# Altium PCB Nestling_2.0.PcbDoc (part 1 of 2)
Units mm, origin at the board's own origin, x right, y up, seen from the top; angles counter-clockwise.
Board outline 45 x 75 mm, 2 copper layers (Top Layer, Bottom Layer); 54 components, 122 nets, 425 pads, 211 vias.
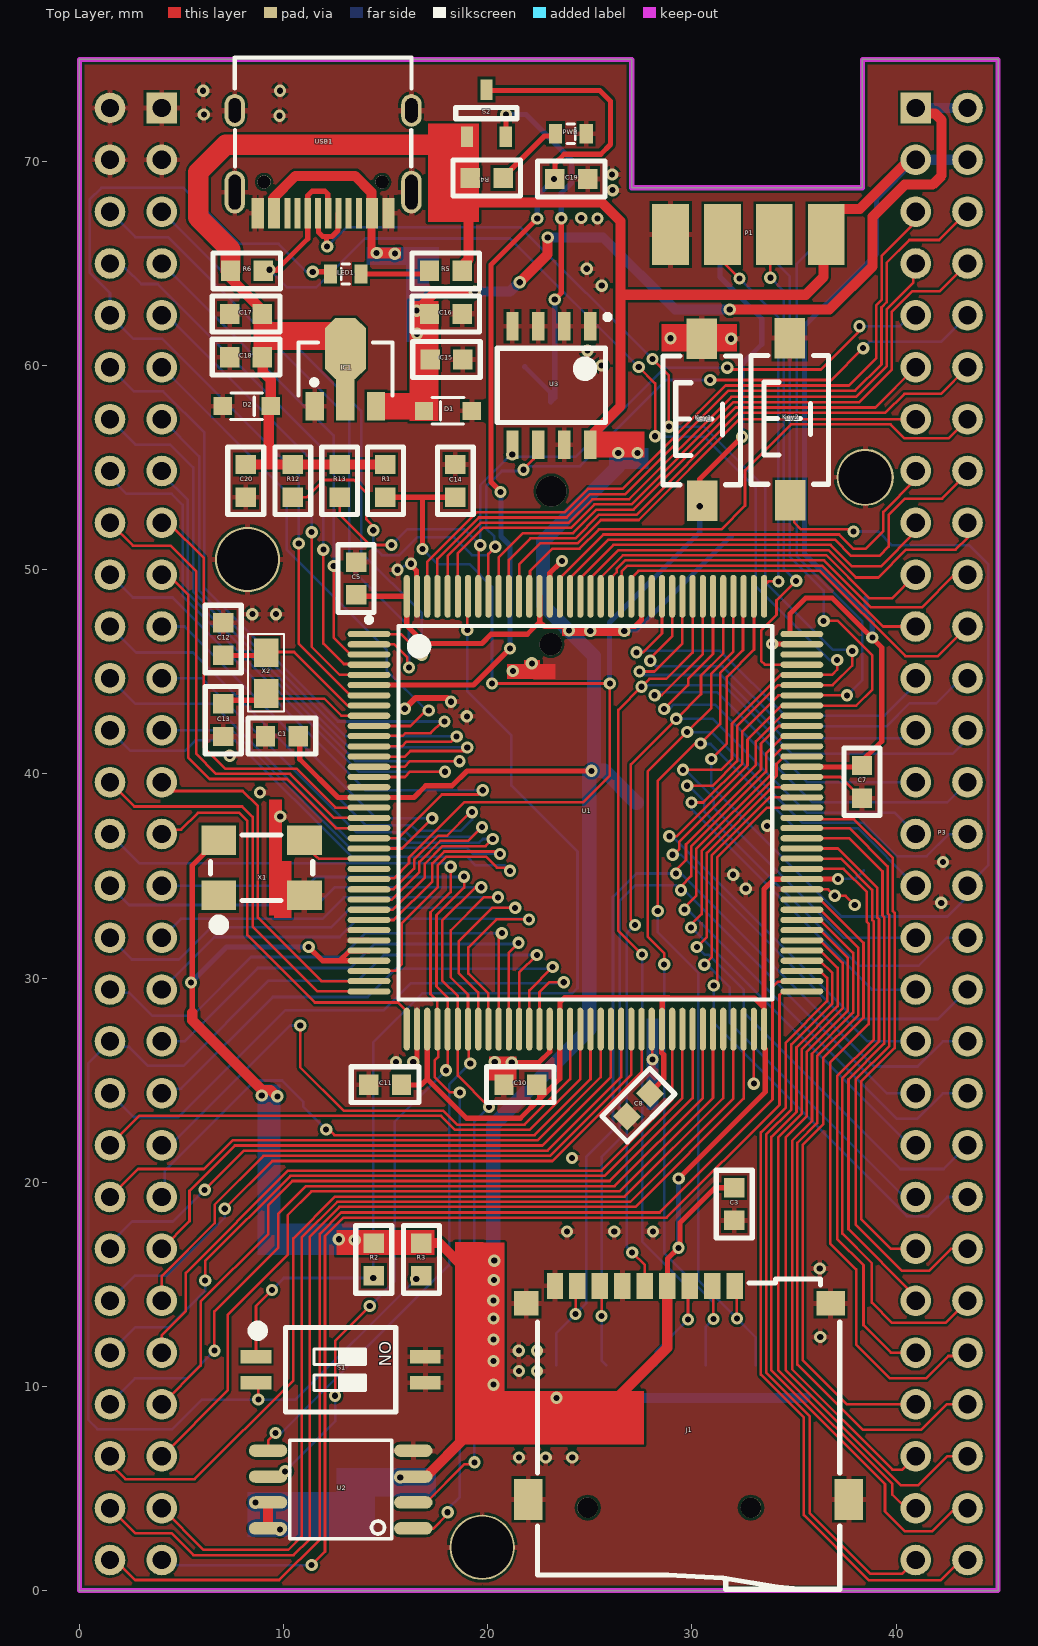
[diagram p0: Top Layer view]
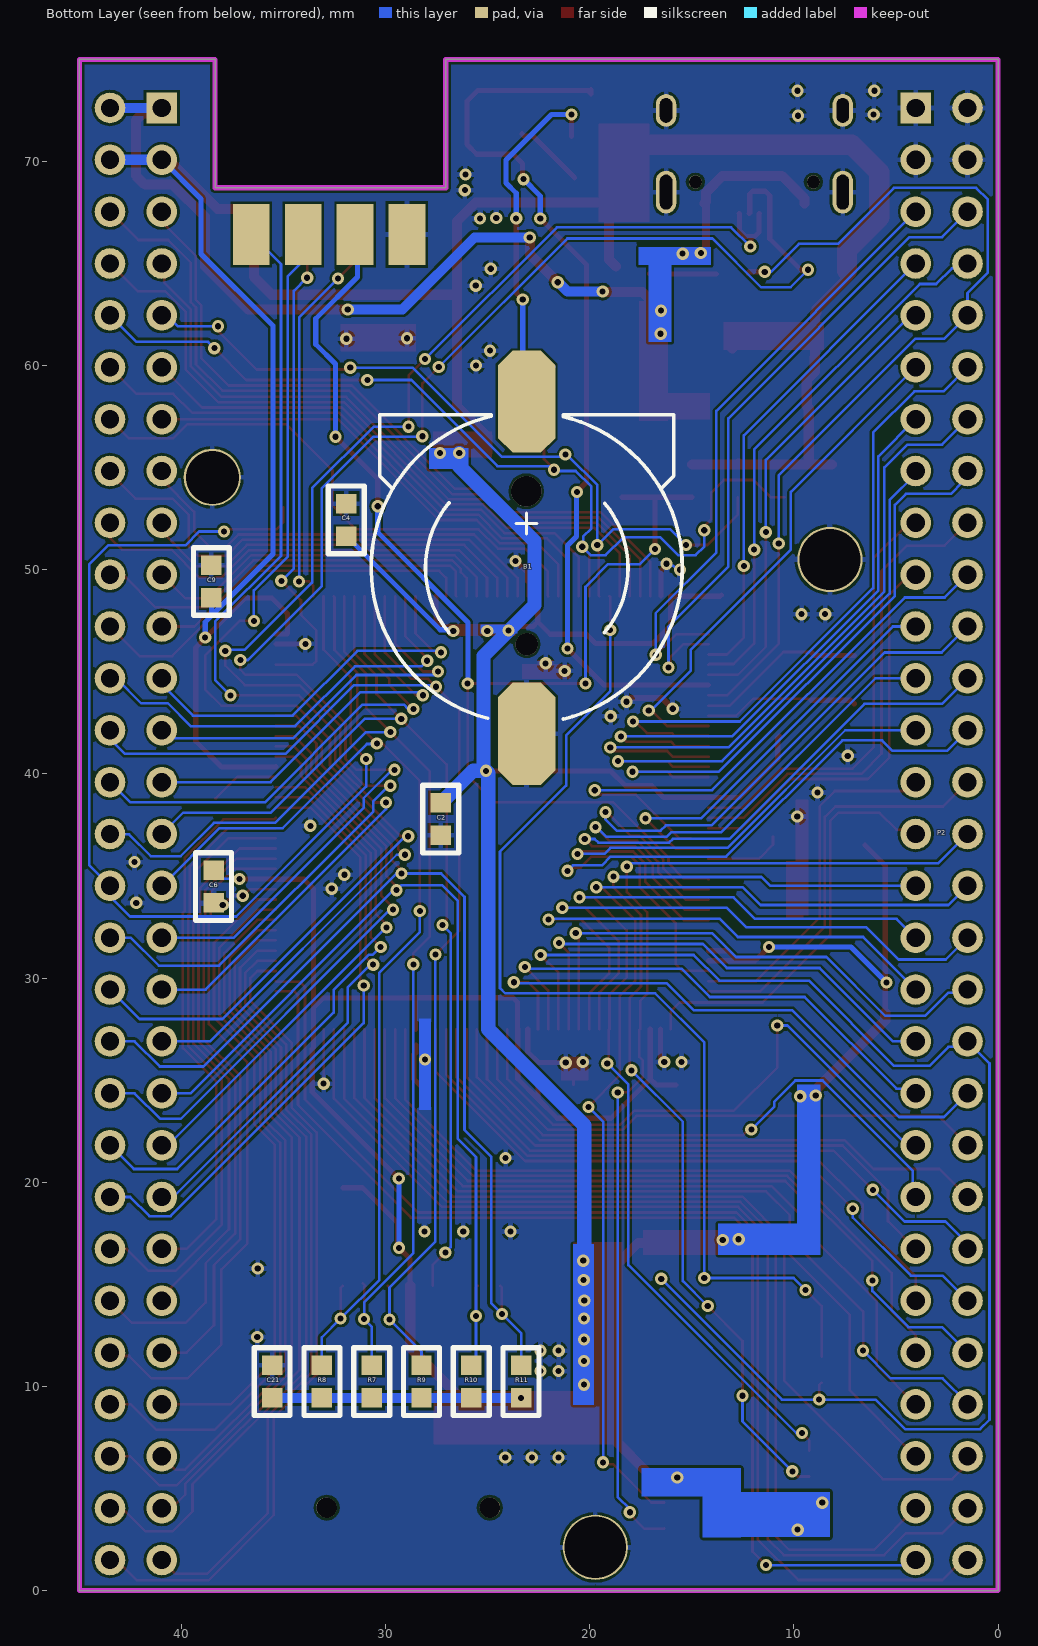
[diagram p1: Bottom Layer view, seen from below]
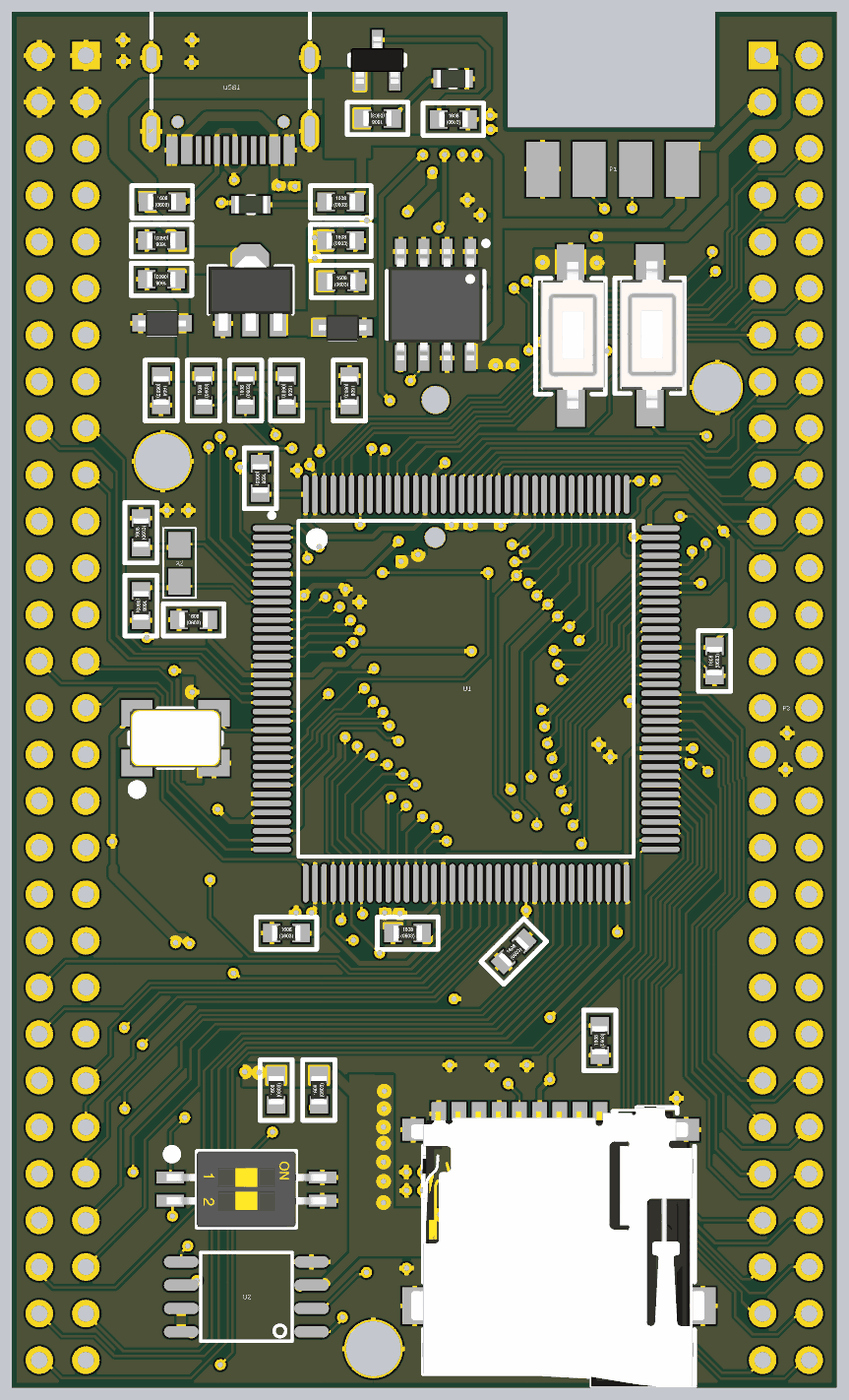
[diagram p3: 3D render of the assembled board from above, using the file's embedded part models]
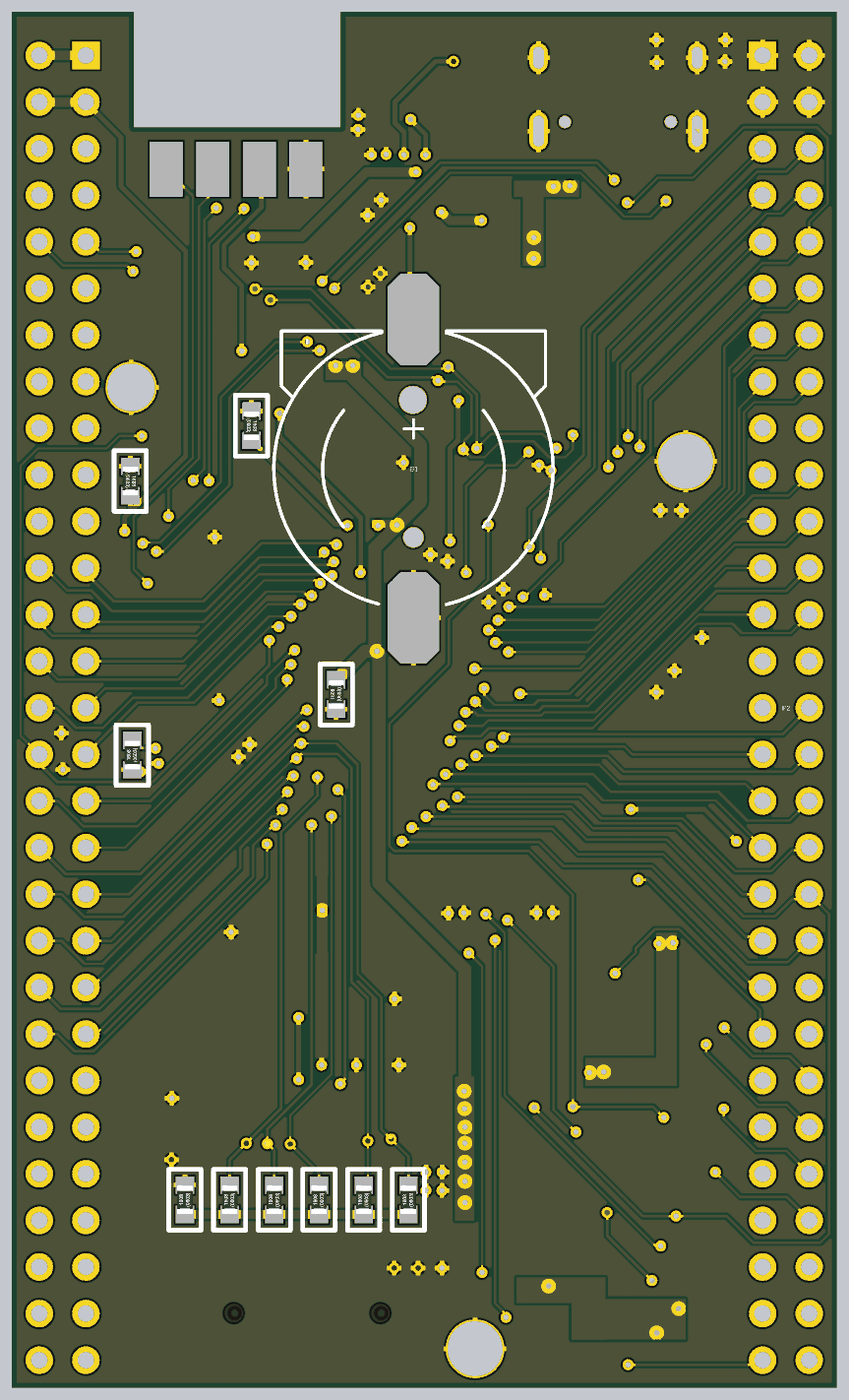
[diagram p4: 3D render of the assembled board from below, using the file's embedded part models]

## Layer stack, top to bottom
Top Solder: solder mask 0.0102, Solder Resist, Dk 3.5
Top Layer: signal copper 0.0356
Dielectric 1: dielectric 0.32, FR-4, Dk 4.8
Bottom Layer: signal copper 0.0356
Bottom Solder: solder mask 0.0102, Solder Resist, Dk 3.5

## Board outline
0,0 0,75 27.051,75 27.051,68.707 38.354,68.707 38.354,75 45,75 45,0

## Design rules (kind name [scope] priority, off if disabled: settings)
Clearance [All] p1: gap=0.127 ignorepadtopadclearanceinfootprint=FALSE
HoleSize [All] p1: absolutevalues=TRUE maxlimit=4 minlimit=0.025 maxpercent=80.000 minpercent=20.000
HoleToHoleClearance [All] p1: gap=0.127 allowstackedmicrovias=TRUE
MinimumSolderMaskSliver [All] p1: minsoldermaskwidth=0.127
PlaneClearance [All] p1: clearance=0.127
PlaneConnect [All] p1: pad.planeconnectstyle=Relief pad.reliefexpansion=0.508 pad.reliefentries=4 pad.reliefconductorwidth=0.254 pad.reliefairgap=0.127 via.planeconnectstyle=Direct via.reliefexpansion=0.508 via.reliefentries=4 via.reliefconductorwidth=0.254 via.reliefairgap=0.127
PolygonConnect [All] p1: connectstyle=Relief reliefconductorwidth=0.254 reliefentries=4 polygonreliefangle="90 Angle" airgapwidth=0.127
RoutingVias [All] p1: holewidth=0.3 width=0.6 viastyle="Through Hole" minholewidth=0.3 minwidth=0.6 maxholewidth=0.711 maxwidth=1.27
SilkToSilkClearance [All] p1: silktosilkclearance=0.127
SolderMaskExpansion [All] p1: expansion=0.102
Width PWR [InNetClass('PWR')] p1: maxlimit=1 minlimit=0.127 preferedwidth=0.5
Width [All] p2: maxlimit=0.254 minlimit=0.127 preferedwidth=0.127
24 further rules are at their usual default settings.

## Classes and differential pairs
net class PWR: 3V3 5V GND VBAT
component class 主控系统板: C1 C2 C3 C4 C5 C6 C7 C8 C9 C10 C11 C12 C13 C14 Key1 Key2 LED1 PWR R1 R2 R3 R4 R5 S1 U1 X1 X2
component class 主控系统板2: B1 C15 C16 C17 C18 C19 C20 C21 D1 D2 IC1 J1 P1 P2 P3 R6 R7 R8 R9 R10 R11 R12 R13 S2 U2 U3 USB1

## Components (designator, comment, footprint, x,y, rotation, side; value= is the part's Value field where it differs from the comment)
B1 "Battery" CR1220 23.102,50.102 r90 bottom locked
C1 "0.1uF" 0603 9.919,41.855 r0 top
C2 "0.1uF" 0603 27.3,37.791 r90 bottom
C3 "0.1uF" 0603 32.075,18.931 r90 top
C4 "0.1uF" 0603 31.929,52.44 r270 bottom
C5 "0.1uF" 0603 13.553,49.568 r270 top
C6 "0.1uF" 0603 38.427,34.483 r90 bottom
C7 "0.1uF" 0603 38.334,39.615 r90 top
C8 "0.1uF" 0603 27.385,23.781 r45 top
C9 "0.1uF" 0603 38.536,49.426 r270 bottom
C10 "0.1uF" 0603 21.596,24.781 r0 top
C11 "0.1uF" 0603 14.976,24.781 r0 top
C12 "10pF" 0603 7.048,46.609 r90 top
C13 "10pF" 0603 7.048,42.634 r270 top
C14 "0.1uF" 0603 18.415,54.356 r270 top
C15 "0.1uF" 0603 17.98,60.298 r0 top
C16 "10uF" 0603 17.947,62.529 r0 top
C17 "0.1uF" 0603 8.163,62.529 r180 top
C18 "10uF" 0603 8.163,60.414 r180 top
C19 "0.1uF" 0603 24.093,69.139 r0 top
C20 "0.1uF" 0603 8.148,54.356 r270 top
C21 "0.1uF" 0603 35.557,10.241 r90 bottom
D1 "CESD5V0D3/丝印ZA" SOD323 18.046,57.785 r180 top
D2 "CESD5V0D3/丝印ZA" SOD323 8.201,58.017 r0 top
IC1 "CJA1117" SOT89 13.027,60.198 r0 top
J1 "MICRO SD CARD CONNECTOR" "MICRO SD CARD CONNECTOR" 29.843,0.064 r0 top locked
Key1 "KEY-2P" "TSW SMD-3*6*2.5" 30.48,57.38 r90 top
Key2 "KEY-2P" "TSW SMD-3*6*2.5" 34.798,57.404 r90 top locked
LED1 "LED" D0603 13.798,64.488 r180 top
P1 "SWD & USART" 2X4P-2.5MM-SMD 36.576,66.421 r180 top
P2 "Header 29X2" HDR2X29 4.04,72.62 r270 bottom locked
P3 "Header 29X2" HDR2X29 40.96,72.62 r270 top locked
PWR "LED" D0603 23.324,71.355 r0 top
R1 "10K" 0603 14.988,54.356 r270 top
R2 "10K" 0603 14.421,16.223 r90 top locked
R3 "10K" 0603 16.753,16.223 r90 top locked
R4 "2K" 0603 19.952,69.19 r180 top
R5 "300R" 0603 17.947,64.643 r0 top
R6 "1.5K" 0603 8.201,64.643 r0 top
R7 "10K" 0603 30.68,10.241 r90 bottom
R8 "10K" 0603 33.119,10.241 r90 bottom
R9 "10K" 0603 28.242,10.241 r90 bottom
R10 "10K" 0603 25.804,10.241 r90 bottom
R11 "10K" 0603 23.365,10.241 r90 bottom
R12 "4.7K" 0603 10.457,54.356 r90 top
R13 "4.7K" 0603 12.748,54.356 r90 top
S1 "SW-2" "CSW1.27 SMD-2P" 12.799,10.823 r270 top locked
S2 "BAT54C_KL3" SOT-23 19.939,72.365 r0 top
U1 "STM32F103ZE_ZGT6" TQFP144_N 24.786,38.1 r0 top locked
U2 "W25Q64" SO8WB 12.799,4.953 r90 top
U3 "AT24C04" SO-8 23.114,59.028 r270 top
USB1 "Type-C" Type-C 11.938,69.977 r90 top locked
X1 "XTAL-4_8MHz" XTAL-5.0X3.2 8.928,35.408 r90 top
X2 "XTAL_32.768KHZ_3215" 3215 9.144,43.942 r90 top value=32.768KHz

## Footprints (in the part's own frame and the unit in brackets; to place one, negate y for a bottom-side part, rotate by r counter-clockwise, add the part's x,y. Pads: shape width x height; smd on the part's side, far side on the other; paste and mask are expansions set on the pad)
2X4P-2.5MM-SMD [mm]
  rect 1.8x3 smd: 1(0,0) 2(2.54,0) 3(5.08,0) 4(7.62,0)
  rect 1.8x3 smd far side: 5(0,0) 6(2.54,0) 7(5.08,0) 8(7.62,0)
0603 [mm] "SMD, 0603"
  rect 0.95x1 smd: 1(-0.8,0) 2(0.8,0)
  silkscreen extent -1.66,-0.88 1.66,0.88, body extent -0.77,-0.42 0.77,0.43, height 0.45
3215 [mm]
  rect 1.4x1.2 smd: 1(0,0) 2(2,0)
  silkscreen extent -0.89,-0.89 2.92,0.89
CR1220 [mm]
  round 1.1 hole 1.1: 0(-3.754,-0.012)
  round 1.5 hole 1.5: 0(3.746,0.012)
  oct 5x2.8 smd: 1(8.132,-0.01) 2(-8.132,-0.01)
  silkscreen extent -7.41,-7.63 7.5,7.61
"CSW1.27 SMD-2P" [mm] "长：4.14mm，宽：5.4mm，高：2.3mm"
  rect 0.65x1.5 smd: 1(-0.635,-4.15) 2(0.635,-4.15) 3(0.635,4.15) 4(-0.635,4.15)
  silkscreen extent -2.15,-4.31 2.07,2.7, body extent -2.07,-4.35 2.07,4.35, height 2.35
D0603 [mm]
  rect 0.65x0.95 smd: 1(0,0) 2(1.5,0)
  silkscreen extent 0.57,-0.48 0.97,0.48, body extent -0.12,-0.48 1.63,0.48, height 0.35
HDR2X29 [mm]
  rect 1.5x1.5 hole 0.9: 1(0,0)
  round 1.5 hole 0.9: 2(0,2.54) 3(2.54,0) 4(2.54,2.54) 5(5.08,0) 6(5.08,2.54) 7(7.62,0) 8(7.62,2.54) 9(10.16,0) 10(10.16,2.54) 11(12.7,0) 12(12.7,2.54) 13(15.24,0) 14(15.24,2.54) 15(17.78,0) 16(17.78,2.54) 17(20.32,0) 18(20.32,2.54) 19(22.86,0) 20(22.86,2.54) 21(25.4,0) 22(25.4,2.54) 23(27.94,0) 24(27.94,2.54) 25(30.48,0) 26(30.48,2.54) 27(33.02,0) 28(33.02,2.54) 29(35.56,0) 30(35.56,2.54) 31(38.1,0) 32(38.1,2.54) 33(40.64,0) 34(40.64,2.54) 35(43.18,0) 36(43.18,2.54) 37(45.72,0) 38(45.72,2.54) 39(48.26,0) 40(48.26,2.54) 41(50.8,0) 42(50.8,2.54) 43(53.34,0) 44(53.34,2.54) 45(55.88,0) 46(55.88,2.54) 47(58.42,0) 48(58.42,2.54) 49(60.96,0) 50(60.96,2.54) 51(63.5,0) 52(63.5,2.54) 53(66.04,0) 54(66.04,2.54) 55(68.58,0) 56(68.58,2.54) 57(71.12,0) 58(71.12,2.54)
"MICRO SD CARD CONNECTOR" [mm] "Micro SD Card Connector"
  round 1 hole 1 unplated: 0(-4.95,4) 0(3.05,4)
  rect 0.8x1.27 smd: 1(2.25,14.865) 2(1.15,14.865) 3(0.05,14.865) 4(-1.05,14.865) 5(-2.15,14.865) 6(-3.25,14.865) 7(-4.35,14.865) 8(-5.45,14.865) 9(-6.55,14.865)
  rect 1.2x1.2 smd: 10(-7.95,14)
  rect 1.4x1.2 smd: 11(6.95,14)
  rect 1.4x2 smd: 12(-7.85,4.4) 13(7.85,4.4)
  silkscreen extent -7.4,0 7.4,15.2, body extent -8.05,0 7.95,15.25, height 1.92
SO8WB [mil]
  oval 24x74 smd: 1(-75,-140) 2(-25,-140) 3(25,-140) 4(75,-140) 5(75,140) 6(25,140) 7(-25,140) 8(-75,140)
  silkscreen extent -95,-98 95,98
SO-8 [mm] "SOIC, 8PIN"
  rect 1.4x0.6 smd: 1(-2.9,1.905) 2(-2.9,0.635) 3(-2.9,-0.635) 4(-2.9,-1.905) 5(2.9,-1.905) 6(2.9,-0.635) 7(2.9,0.635) 8(2.9,1.905)
  silkscreen extent -3.48,-2.65 1.82,2.88, body extent -3.03,-2.56 3.03,2.56, height 1.95
SOD323 [mil] "SODFL, 2-Leads, Body 1.30x2.60mm, IPC Medium Density"
  rect 35x35 smd: 1(-46.26,0) 2(46.26,0)
  silkscreen extent -31,-26 31,26, body extent -51,-28 51,28, height 39
SOT89 [mm] "SOT89, 3-Leads, Body 4.50x2.45mm, Pitch 1.50mm, Lead Span 4.1mm, IPC Medium Density"
  rect 0.9x1.4 smd: 1(-1.5,-2.181) 3(1.5,-2.181)
  rect 0.9x3 smd: 2(0,-1.381)
  oct 2x3 smd: 2(0,0.635)
  silkscreen extent -2.3,-1.66 2.3,0.94, body extent -2.3,-2.58 2.3,1.47, height 1.6
SOT-23 [mm] "SOT-23-3"
  rect 0.6x1 smd: 1(-0.95,-1.15) 2(0.95,-1.15) 3(0,1.15)
  silkscreen extent -1.5,-0.27 1.5,0.27, body extent -1.46,-1.27 1.46,1.27, height 0.99
TQFP144_N [mm] "TTM32V103ZET6"
  oval 2.1x0.3 smd: 1(-10.6,8.75) 2(-10.6,8.25) 3(-10.6,7.75) 4(-10.6,7.25) 5(-10.6,6.75) 6(-10.6,6.25) 7(-10.6,5.75) 8(-10.6,5.25) 9(-10.6,4.75) 10(-10.6,4.25) 11(-10.6,3.75) 12(-10.6,3.25) 13(-10.6,2.75) 14(-10.6,2.25) 15(-10.6,1.75) 16(-10.6,1.25) 17(-10.6,0.75) 18(-10.6,0.25) 19(-10.6,-0.25) 20(-10.6,-0.75) 21(-10.6,-1.25) 22(-10.6,-1.75) 23(-10.6,-2.25) 24(-10.6,-2.75) 25(-10.6,-3.25) 26(-10.6,-3.75) 27(-10.6,-4.25) 28(-10.6,-4.75) 29(-10.6,-5.25) 30(-10.6,-5.75) 31(-10.6,-6.25) 32(-10.6,-6.75) 33(-10.6,-7.25) 34(-10.6,-7.75) 35(-10.6,-8.25) 36(-10.6,-8.75) 73(10.6,-8.75) 74(10.6,-8.25) 75(10.6,-7.75) 76(10.6,-7.25) 77(10.6,-6.75) 78(10.6,-6.25) 79(10.6,-5.75) 80(10.6,-5.25) 81(10.6,-4.75) 82(10.6,-4.25) 83(10.6,-3.75) 84(10.6,-3.25) 85(10.6,-2.75) 86(10.6,-2.25) 87(10.6,-1.75) 88(10.6,-1.25) 89(10.6,-0.75) 90(10.6,-0.25) 91(10.6,0.25) 92(10.6,0.75) 93(10.6,1.25) 94(10.6,1.75) 95(10.6,2.25) 96(10.6,2.75) 97(10.6,3.25) 98(10.6,3.75) 99(10.6,4.25) 100(10.6,4.75) 101(10.6,5.25) 102(10.6,5.75) 103(10.6,6.25) 104(10.6,6.75) 105(10.6,7.25) 106(10.6,7.75) 107(10.6,8.25) 108(10.6,8.75)
  oval 0.3x2.1 smd: 37(-8.75,-10.6) 38(-8.25,-10.6) 39(-7.75,-10.6) 40(-7.25,-10.6) 41(-6.75,-10.6) 42(-6.25,-10.6) 43(-5.75,-10.6) 44(-5.25,-10.6) 45(-4.75,-10.6) 46(-4.25,-10.6) 47(-3.75,-10.6) 48(-3.25,-10.6) 49(-2.75,-10.6) 50(-2.25,-10.6) 51(-1.75,-10.6) 52(-1.25,-10.6) 53(-0.75,-10.6) 54(-0.25,-10.6) 55(0.25,-10.6) 56(0.75,-10.6) 57(1.25,-10.6) 58(1.75,-10.6) 59(2.25,-10.6) 60(2.75,-10.6) 61(3.25,-10.6) 62(3.75,-10.6) 63(4.25,-10.6) 64(4.75,-10.6) 65(5.25,-10.6) 66(5.75,-10.6) 67(6.25,-10.6) 68(6.75,-10.6) 69(7.25,-10.6) 70(7.75,-10.6) 71(8.25,-10.6) 72(8.75,-10.6) 109(8.75,10.6) 110(8.25,10.6) 111(7.75,10.6) 112(7.25,10.6) 113(6.75,10.6) 114(6.25,10.6) 115(5.75,10.6) 116(5.25,10.6) 117(4.75,10.6) 118(4.25,10.6) 119(3.75,10.6) 120(3.25,10.6) 121(2.75,10.6) 122(2.25,10.6) 123(1.75,10.6) 124(1.25,10.6) 125(0.75,10.6) 126(0.25,10.6) 127(-0.25,10.6) 128(-0.75,10.6) 129(-1.25,10.6) 130(-1.75,10.6) 131(-2.25,10.6) 132(-2.75,10.6) 133(-3.25,10.6) 134(-3.75,10.6) 135(-4.25,10.6) 136(-4.75,10.6) 137(-5.25,10.6) 138(-5.75,10.6) 139(-6.25,10.6) 140(-6.75,10.6) 141(-7.25,10.6) 142(-7.75,10.6) 143(-8.25,10.6) 144(-8.75,10.6)
  silkscreen extent -10.72,-9.15 9.15,9.57, body extent -10,-10 10,10, height 1.6
"TSW SMD-3*6*2.5" [mm] "3*6*2.5mm"
  rect 2x1.5 smd: 1(-3.996,-0.02) 2(3.937,0)
  silkscreen extent -3.21,-1.9 3.09,1.9, body extent -4,-1.88 4,1.62, height 2.59
Type-C [mm]
  round 0.65 hole 0.65: 0(-0.98,2.89) 0(-0.98,-2.89)
  oval 1.6x1 hole 0.6 slot 1.2 at 0 deg: 1(2.52,4.325) 2(2.52,-4.325)
  oval 2.1x1 hole 0.6 slot 1.7 at 0 deg: 3(-1.48,-4.325) 4(-1.48,4.325)
  rect 1.5x0.3 smd: A1(-2.52,-3.35) A4(-2.52,-2.55) A5(-2.52,-1.25) A6(-2.52,-0.25) A7(-2.52,0.25) A8(-2.52,1.25) A9(-2.52,2.55) A12(-2.52,3.35) B1(-2.52,3.05) B4(-2.52,2.25) B5(-2.52,1.75) B6(-2.52,0.75) B7(-2.52,-0.75) B8(-2.52,-1.75) B9(-2.52,-2.25) B12(-2.52,-3.05)
  silkscreen extent -0.22,-4.33 5.12,4.33
XTAL-5.0X3.2 [mm] "Oscillator"
  rect 1.45x1.7 smd: 1(-1.35,2.1) 2(-1.35,-2.1) 3(1.35,-2.1) 4(1.35,2.1)
  silkscreen extent -3.05,-2.5 1.6,2.5, body extent -1.6,-2.5 1.6,2.5, height 1

## Part data
C1 C2 C3 C4 C5 C6 C7 C8 C9 C10 C11 C12 C13 C14 C15 C16 C17 C18 C19 C20 C21: library part CAP, "Capacitor"
D1 D2: library part TVS
J1: "Micro SD Card Connector"
Key1 Key2: "Key"
P1: library part CON4-X2
R1 R2 R3 R4 R5 R6 R7 R8 R9 R10 R11 R12 R13: library part RES, "Resistor"
U3: library part AT24Cxx, "EEPROM"
X1: library part XTAL-4, "Oscillator"
X2: "CRYSTAL", PCB DECAL=3215
U2: PCB DECAL=SO8WB

## Free pads (board coordinates)
  round 3.2 hole 3: 2(8.237,50.5) 2(19.729,2.12)
  round 2.8 hole 2.6: 2(38.488,54.527)

## Via types
v1: diameter 0.6, hole 0.3, Top Layer to Bottom Layer, 211 vias

## Nets (pads, with @x,y where several pads share a name; then routed paths per layer and width w, separated by ;. In a path a pad name is that pad's centre, name@x,y a point inside that pad or via, vN(x,y) a via of type N, cw(c..) or ccw(c..) an arc to the next point about the centre after c; other vN are vias at no path point)
3V3: C1.2 C2.2 C3.2 C4.2 C5.2 C6.2 C7.2 C8.2 C9.2 C10.2 C11.2 C17.1 C18.1 C20.1 C21.1 D2.2 IC1.2 J1.4 P1.1 P3.3 P3.4 R1.1 R2.2 R3.2 R4.2 R5.2 R6.1 R7.1 R8.1 R9.1 R10.1 R11.1 R12.2 R13.2 S2.1 U1.17 U1.32 U1.33 U1.39 U1.52 U1.62 U1.72 U1.84 U1.95 U1.108 U1.121 U1.131 U1.144 U2.3 U2.7 U2.8 U3.8 X1.4 | length 361.4
  Top Layer w0.127: R2.2@14.233,17.212 R2.2@14.421,17.023 ; R1.1@14.988,55.156 R1.1@15.013,55.156
  Top Layer w0.254: v1(5.47,29.783) v1@5.53,29.723 ; 5.53,28.321 v1@5.53,29.723 ; X1.4@6.523,36.506 5.53,35.513 v1@5.53,29.723 ; C1.2@10.719,41.855 10.793,41.781 10.793,40.718 12.661,38.85 U1.17@14.186,38.85 16.389,38.85 16.964,39.425 18.255,39.425 18.981,40.151 v1(25.081,40.151) ; v1(11.229,31.524) 11.903,30.85 12.748,30.85 ; v1(12.71,17.212) R2.2@14.233,17.212 ; C5.2@13.553,48.768 13.621,48.7 U1.144@16.036,48.7 16.037,47.269 16.91,46.396 19.714,46.396 20.159,46.841 21.935,46.841 22.545,47.451 ; U1.33@14.186,30.85 12.748,30.85 ; U1.32@14.186,31.35 14.177,31.341 13.239,31.341 12.748,30.85 ; C11.2@15.776,24.768 16.738,24.768 17.036,25.066 ; U1.39@17.036,27.5 17.036,25.066 ; C10.2@22.396,24.781 22.534,24.644 22.534,24.075 ; U1.131@22.536,48.7 22.545,48.691 22.545,47.451 ; U1.121@27.536,48.7 27.527,48.691 27.527,47.545 27.202,47.22 22.776,47.22 22.545,47.451 ; C8.2@27.951,24.347 27.933,24.365 28.621,25.053 28.621,25.643 28.626,25.648 28.626,25.961 28.621,25.966 28.621,26.245 28.52,26.346 U1.62@28.52,26.723 ; U1.62@28.536,27.5 28.545,27.509 28.545,29.026 ; J1.4@28.793,14.929 28.812,14.948 28.812,16.252 v1(29.348,16.788) 29.414,16.854 29.414,18.015 31.131,19.731 C3.2@32.075,19.731 ; v1(29.353,20.18) 33.59,24.418 33.59,26.534 33.536,26.588 U1.72@33.536,27.5 ; U1.72@33.527,27.509 U1.72@33.536,27.5 ; 33.527,28.568 33.069,29.026 28.862,29.026 28.876,29.04 28.545,29.04 23.763,29.04 23.545,28.822 23.545,27.509 U1.52@23.536,27.5 23.527,27.491 23.527,25.068 22.534,24.075 ; U1.84@35.386,34.85 35.377,34.841 34.006,34.841 33.536,34.371 33.536,28.568 U1.72@33.536,27.5 ; U1.95@35.386,40.35 35.395,40.341 38.033,40.341 39.296,41.604 39.296,46.194 36.873,48.616 35.576,48.616 34.804,47.844 34.804,46.871 34.825,46.85 U1.108@35.386,46.85 ; U1.84@35.387,34.851 37.143,34.851 37.153,34.841 v1(37.163,34.851) ; 17.036,25.066 18.966,23.136 21.595,23.136 22.534,24.075
  Top Layer w0.5: 5.53,28.321 5.53,27.928 8.932,24.526 9.354,24.526 9.671,24.21 v1(9.698,24.21) ; R6.1@7.401,64.643 7.366,64.608 7.366,64.313 8.89,62.789 8.89,62.602 C17.1@8.963,62.529 C18.1@8.963,60.414 8.979,60.399 8.979,59.69 9.376,59.293 D2.2@9.376,58.017 9.271,57.912 9.271,55.156 ; C20.1@8.148,55.156 9.271,55.156 ; U2.8@9.243,3.048 U2.7@9.243,4.318 ; R13.2@12.7,55.204 R13.2@12.748,55.156 ; IC1.2@13.027,60.833 IC1.2@13.027,61.465 ; R2.2@14.421,17.023 R3.2@16.753,17.023 17.639,17.023 19.003,15.659 19.003,9.322 ; R1.1@14.988,55.156 R13.2@12.748,55.156 ; U2.3@16.355,5.588 16.99,5.588 19.003,7.601 19.003,9.322 ; R5.2@18.721,64.862 19.064,65.205 19.064,67.99 ; S2.1@19.064,70.993 19.064,67.99 ; U3.8@25.069,55.691 25.019,55.741 U3.8@25.019,56.128 25.019,56.528 26.507,58.016 26.507,63.483 ; J1.4@28.793,14.929 28.793,11.89 26.225,9.322 19.003,9.322 ; P3.3@40.96,70.08 40.636,70.08 38.227,67.671 37.226,67.671 36.576,67.021 P1.1@36.576,66.421 36.453,66.298 36.453,64.352 35.574,63.474 26.516,63.474 26.507,63.483 ; 9.271,55.156 R12.2@10.457,55.156 R13.2@12.748,55.156 ; 19.064,67.99 25.588,67.99 26.507,67.071 26.507,63.483
  Top Layer w1: R6.1@7.401,64.643 7.401,65.675 5.824,67.252 5.824,69.475 7.163,70.814 17.274,70.814 17.298,70.79
  Bottom Layer w0.127: v1(37.163,34.851) 37.183,34.871 38.015,34.871 C6.2@38.427,35.283
  Bottom Layer w0.254: v1(5.47,29.783) 7.211,31.524 v1(11.229,31.524) ; v1(8.932,24.248) 8.932,18.002 9.723,17.212 v1(12.71,17.212) ; v1(26.686,46.996) 26.752,47.062 27.326,47.062 31.904,51.64 C4.2@31.929,51.64 ; v1(29.348,16.788) 29.35,16.791 29.35,20.178 v1(29.353,20.18) ; 38.529,47.82 38.529,48.62 C9.2@38.536,48.626 ; v1(38.838,46.688) 38.838,47.45 38.499,47.789 35.515,50.773 35.515,61.948 39.04,65.473 39.04,68.16 P3.3@40.96,70.08
  Bottom Layer w0.5: v1(23.365,9.441) R10.1@25.804,9.441 R9.1@28.242,9.441 R7.1@30.68,9.441 R8.1@33.119,9.441 C21.1@35.557,9.441 ; P3.3@40.96,70.08 P3.4@43.5,70.08
  Bottom Layer w0.7: v1@20.275,16.163 20.275,22.799 24.969,27.493 24.969,40.039 v1(25.081,40.151) ; v1(26.395,55.72) 26.395,55.075 22.712,51.391 22.712,48.274 25.205,45.78 25.205,40.151 25.715,40.151 27.275,38.591 C2.2@27.3,38.591
  other v1: 9.819,2.986 8.618,4.31 15.716,5.539 20.28,10.088 20.28,11.245 20.28,12.299 20.28,13.332 20.275,14.204 20.301,15.212 20.322,16.163 13.487,17.176 25.024,46.996 23.986,47.028 27.339,55.72
5V: C15.1 C16.1 D1.2 IC1.3 P3.1 P3.2 USB1.A4 USB1.A9 USB1.B4 USB1.B9 | length 47.8
  Top Layer w0.127: C16.1@16.837,62.838 16.862,62.838 17.147,62.554 C16.1@17.147,62.529
  Top Layer w0.5: USB1.A9@9.488,67.957 9.488,68.19 10.588,69.29 13.501,69.29 14.303,68.489 14.303,68.042 USB1.A4@14.388,67.957 ; v1@14.56,65.543 v1(14.56,65.516) 14.577,65.5 15.435,65.5 v1(15.451,65.484) ; v1(16.518,62.692) 17.432,63.605 19.351,63.605 v1(19.37,63.624) ; v1(21.57,64.083) 22.923,65.436 22.923,66.255 v1(22.942,66.274) ; v1(31.857,62.746) 36.733,62.746 38.85,64.864 38.85,67.293 40.422,68.865 41.791,68.865 42.233,69.307 42.233,72.016 41.894,72.354 41.226,72.354 P3.1@40.96,72.62
  Bottom Layer w0.5: v1(19.37,63.624) 21.084,63.624 21.543,64.083 v1(21.57,64.083) ; v1(22.942,66.274) 25.649,66.274 29.177,62.746 v1(31.857,62.746) ; P3.1@40.96,72.62 P3.2@43.5,72.62
  other v1: 16.531,61.558
BOOT0: R2.1 S1.1 U1.138 | length 52.9
  Top Layer w0.127: S1.1@8.649,11.458 8.649,13.942 v1(9.434,14.727) ; v1(19.003,47.048) 19.003,48.667 U1.138@19.036,48.7
  Bottom Layer w0.127: v1(9.434,14.727) 10.02,15.313 v1(14.391,15.313) 14.391,26.855 16.795,29.259 24.149,29.259 24.398,29.508 24.398,36.198 21.161,39.434 21.161,41.887 19.003,44.045 v1(19.003,47.048)
BOOT1: P2.38 R3.1 S1.2 U1.48 | length 66.8
  Top Layer w0.127: S1.2@8.649,10.188 8.765,10.072 v1(8.765,9.356) ; U1.48@21.536,27.5 21.536,30.264 v1(22.406,31.134)
  Bottom Layer w0.127: v1(16.5,15.271) 10.585,9.356 v1(8.765,9.356) 6.004,9.356 4.559,7.91 0.884,7.91 0.425,8.37 0.425,25.825 P2.38@1.5,26.9 1.763,26.637 2.431,26.637 3.367,25.702 5.101,25.702 9.275,29.876 13.658,29.876 14.916,31.134 v1(22.406,31.134)
GND: B1.2 C1.1 C2.1 C3.1 C4.1 C5.1 C6.1 C7.1 C8.1 C9.1 C10.1 C11.1 C12.2 C13.2 C14.1 C15.2 C16.2 C17.2 C18.2 C19.2 C20.2 C21.2 D1.1 D2.1 IC1.1 J1.6 J1.9 J1.10 J1.11 J1.12 J1.13 Key1.2 Key2.2 P1.4 P1.8 P2.1 P2.2 P2.3 P2.4 pad.2 PWR.2 S1.3 S1.4 U1.16 U1.30 U1.31 U1.38 U1.51 U1.61 U1.71 U1.83 U1.94 U1.107 U1.120 U1.130 U1.143 U2.4 U3.1 U3.2 U3.3 U3.4 U3.7 USB1.1 USB1.2 USB1.3 USB1.4 USB1.A1 USB1.A12 USB1.B1 USB1.B12 X1.2 | length 25
  Top Layer w0.127: v1@16.243,50.225 v1(16.243,50.296) ; U1.143@16.518,48.718 U1.143@16.536,48.7 ; v1@18.018,43.715 v1(18.198,43.535) ; C10.1@20.796,24.781 20.796,25.48 v1(21.177,25.86) ; U1.130@23.036,48.7 23.036,49.422 U1.130@23.042,49.428 ; v1@23.543,50.337 v1(23.634,50.427) ; U1.61@28.036,27.5 28.052,27.485 28.052,26.031 v1(28.067,26.015) ; v1(33.036,24.83) U1.71@33.036,27.5 ; v1(33.933,46.369) v1@33.942,46.36 ; U1.107@35.376,46.36 U1.107@35.386,46.35 ; U1.83@35.386,34.35 36.677,34.35 v1(36.995,34.032) 37.526,34.032 v1(37.979,33.579) ; U1.94@35.386,39.85 37.273,39.85 38.309,38.815 C7.1@38.334,38.815
  Top Layer w0.254: v1@16.243,50.225 16.518,49.949 U1.143@16.518,48.718 ; v1(16.355,25.892) 16.536,26.073 U1.38@16.536,27.5 ; v1(21.177,25.86) 22.498,25.86 23.036,26.398 U1.51@23.036,27.5 ; U1.130@23.042,49.428 23.042,49.836 v1@23.543,50.337 ; v1@33.942,46.36 U1.107@35.376,46.36
  Top Layer w0.3: v1(15.935,43.192) 16.458,43.715 v1@18.018,43.715
  Bottom Layer w0.127: v1(15.587,50) 15.715,50 15.921,50.206 16.152,50.206 v1(16.243,50.296)
  other v1: 21.536,6.521 22.837,6.521 24.138,6.521 21.536,10.752 22.41,10.752 21.526,11.754 22.41,11.754 36.286,12.426 36.261,15.78 23.888,17.586 26.197,17.586 28.099,17.586 24.124,21.195 15.509,25.892 20.342,25.892 42.216,33.688 32.641,34.383 32.021,35.065 42.298,35.682 33.687,37.458 9.836,37.914 8.845,39.087 7.363,40.887 18.979,42.822 21.23,45.048 22.163,45.417 8.471,47.828 9.626,47.828 25.573,60.002 24.893,60.734 31.924,61.317 28.956,61.341 25.588,63.917 24.851,64.744 25.381,67.203 24.58,67.226 26.119,68.593 26.094,69.359 9.807,72.239 6.096,72.294 6.062,73.465 9.829,73.465
"I2C1 SCL PB6": P3.10 R12.1 U1.136 U3.6 | length 48.3
  Top Layer w0.127: R12.1@10.457,53.556 11.145,53.556 11.985,54.397 13.439,54.397 14.045,53.79 14.045,52.493 14.391,52.147 v1(14.391,51.939) ; U1.136@20.036,48.7 20.036,50.771 20.371,51.106 v1(20.371,51.13) ; v1(21.75,54.898) 21.75,54.93 22.243,55.423 22.243,55.892 U3.6@22.479,56.128 ; v1(30.895,59.294) 36.829,59.294 v1(38.39,60.855)
  Bottom Layer w0.127: v1(14.391,51.939) 14.391,51.148 14.824,50.716 15.675,50.716 16.548,51.589 18.349,51.589 19.222,50.716 19.957,50.716 v1(20.371,51.13) 20.33,51.171 20.33,51.621 19.923,52.027 19.923,54.072 20.691,54.84 21.693,54.84 v1(21.75,54.898) 21.927,55.075 24.523,55.075 28.743,59.294 v1(30.895,59.294) ; v1(38.39,60.855) 38.699,61.164 42.204,61.164 P3.10@43.5,62.46
"I2C1 SDA PB7": P3.9 R13.1 U1.137 U3.5 | length 39.5
  Top Layer w0.127: R13.1@12.748,53.556 12.748,52.699 14.233,51.214 v1(15.282,51.214) ; U1.137@19.536,48.7 19.569,48.733 19.569,51.141 v1(19.634,51.206) ; v1(31.735,59.898) 31.825,59.808 36.318,59.808 38.213,61.702 v1(38.213,61.928)
  Bottom Layer w0.127: v1(15.282,51.214) 16.061,51.993 18.848,51.993 v1(19.634,51.206) 19.634,54.142 21.035,55.543 24.32,55.543 28.674,59.898 v1(31.735,59.898) ; v1(38.213,61.928) 40.185,61.928 40.716,62.46 P3.9@40.96,62.46
  other v1: 21.199,55.644
"KEY PA15": Key2.1 P3.32 U1.110 | length 53.5
  Top Layer w0.127: v1(30.954,40.738) 31.709,41.493 31.709,44.756 33.042,46.089 33.042,48.694 U1.110@33.036,48.7 ; Key2.1@35.014,53.05 35.014,52.321 35.354,51.981 37.804,51.981 v1(37.91,51.875)
  Bottom Layer w0.127: v1(30.954,40.738) 30.954,39.38 37.316,33.017 42.517,33.017 43.5,34 P3.32@43.5,34.52 44.518,35.538 44.518,50.268 43.589,51.197 39.812,51.197 39.135,51.875 v1(37.91,51.875)
"LED PC13": LED1.2 P2.10 U1.7 | length 45.1
  Top Layer w0.127: v1(10.744,51.283) 10.744,46.392 13.286,43.85 U1.7@14.186,43.85 ; LED1.2@12.192,64.593 LED1.2@12.298,64.488
  Top Layer w0.254: v1(11.432,64.593) LED1.2@12.192,64.593
  Bottom Layer w0.127: v1(10.744,51.283) 10.744,54.636 4.068,61.311 2.649,61.311 P2.10@1.5,62.46 1.5,63.558 0.504,64.554 0.504,68.133 1.075,68.704 5.1,68.704 7.843,65.96 9.752,65.96 11.11,64.602 11.423,64.602 v1(11.432,64.593)
NetB1_1: B1.1 S2.2 | length 19.7
  Top Layer w0.254: S2.2@20.889,71.215 20.895,71.221 20.895,72.294 v1(20.902,72.3) ; v1(23.284,63.232) 23.606,63.553 v1(23.606,67.213)
  Bottom Layer w0.254: v1(20.902,72.3) 21.874,72.3 24.103,70.072 24.103,68.937 23.606,68.441 v1(23.606,67.213) ; B1.1@21.819,59.946 23.092,58.673 B1.1@23.092,58.234 23.284,58.427 v1(23.284,63.232)
NetLED1_1: LED1.1 R5.1 | length 3.3
  Top Layer w0.254: LED1.1@13.798,64.488 17.066,64.488 R5.1@17.077,64.499
NetPWR_1: PWR.1 R4.1 | length 3.5
  Top Layer w0.254: R4.1@20.752,69.19 20.752,69.215 22.784,71.247 23.216,71.247 PWR.1@23.324,71.355
NRST: C14.2 Key1.1 P1.7 R1.2 U1.25 | length 65.2
  Top Layer w0.127: U1.25@14.186,34.85 14.219,34.883 15.401,34.883 16.145,35.627 16.145,35.907 18.857,38.619 24.686,38.619 25.982,39.915 v1(25.982,44.428) v1(20.211,44.428)
  Top Layer w0.254: R1.2@14.988,53.556 16.876,53.556 ; v1(16.801,51.017) 16.801,53.481 16.876,53.556 ; C14.2@18.415,53.556 16.876,53.556 ; v1(30.387,53.111) 30.387,54.447 v1(32.456,56.517)
  Bottom Layer w0.127: v1(16.801,51.017) 17.545,50.273 19.098,50.273 20.211,49.159 v1(20.211,44.428)
  Bottom Layer w0.254: v1(25.982,44.428) 25.964,44.447 25.964,47.418 30.387,51.841 v1(30.387,53.111) ; P1.7@31.496,66.421 31.378,66.303 31.378,64.34 33.425,62.293 33.425,61.042 32.456,60.073 v1(32.456,56.517)
"OS 8M IN": U1.23 X1.3 | length 3.8
  Top Layer w0.127: X1.3@11.028,36.935 11.028,36.536 11.648,35.916 11.659,35.916 11.724,35.85 U1.23@14.186,35.85 U1.23@14.181,35.845
"OS 32K IN": C12.1 U1.8 X2.2 | length 8.3
  Top Layer w0.127: X2.2@9.144,45.974 10.517,45.974 13.141,43.35 U1.8@14.186,43.35
  Top Layer w0.254: C12.1@7.048,45.809 9.011,45.809 X2.2@9.144,45.942
"OS 32K OUT": C13.1 U1.9 X2.1 | length 7.8
  Top Layer w0.127: X2.1@8.885,43.683 12,43.683 12.833,42.85 U1.9@14.186,42.85
  Top Layer w0.254: C13.1@7.048,43.434 7.225,43.611 X2.1@9.161,43.611
PA0: P2.26 U1.34 | length 34.2
  Top Layer w0.127: U1.34@14.186,30.35 14.195,30.359 15.474,30.359 15.798,30.683 15.798,32.695 17.546,34.443 17.546,35.512 17.983,35.949 19.917,35.949 20.454,35.412 20.937,35.412 v1(21.096,35.253)
  Bottom Layer w0.127: P2.26@1.5,42.14 2.507,41.133 5.17,41.133 5.685,41.647 7.621,41.647 13.32,35.949 18.977,35.949 19.407,35.519 20.83,35.519 v1(21.096,35.253)
PA1: P2.27 U1.35 | length 17.4
  Top Layer w0.127: P2.27@4.04,39.6 4.473,39.167 7.998,39.167 8.738,38.427 8.738,32.969 11.857,29.85 U1.35@14.186,29.85
PA2: P2.28 U1.36 | length 20.1
  Top Layer w0.127: P2.28@1.5,39.6 2.695,38.405 7.976,38.405 8.484,37.897 8.484,32.537 11.671,29.35 U1.36@14.186,29.35
PA3: P2.29 U1.37 | length 20.6
  Top Layer w0.127: P2.29@4.04,37.06 4.248,37.268 4.981,37.268 5.804,38.092 7.84,38.092 8.23,37.702 8.23,32.106 11.532,28.804 15.596,28.804 16.036,28.363 U1.37@16.036,27.5
PA4: P2.30 U1.40 U2.1 | length 52.7
  Top Layer w0.127: P2.30@1.5,37.06 P2.30@1.511,37.049 ; U2.1@16.355,3.048 16.373,3.03 17.328,3.03 18.039,3.741 v1(18.039,3.837) ; v1(18.186,35.458) 18.186,34.217 17.196,33.227 17.196,29.216 17.536,28.876 U1.40@17.536,27.5 17.569,27.467 17.569,26.126 17.401,25.958 17.401,25.15 18.143,24.408 18.62,24.408 v1(18.634,24.394)
  Bottom Layer w0.127: P2.30@1.5,37.06 2.939,35.621 18.024,35.621 v1(18.186,35.458) ; v1(18.039,3.837) 18.039,3.998 18.634,4.593 v1(18.634,24.394)
PA5: P2.31 U1.41 U2.6 | length 49.1
  Top Layer w0.127: U2.6@9.243,5.588 9.824,5.588 v1(10.08,5.843) ; v1(12.523,9.544) 12.523,12.236 v1(14.223,13.936) ; v1(17.962,25.483) 18.036,25.557 U1.41@18.036,27.5 18.039,27.503 18.039,29.04 17.491,29.588 17.491,33.082 18.842,34.434 v1(18.842,34.969)
  Bottom Layer w0.127: P2.31@4.04,34.52 11.156,34.52 11.589,34.953 18.827,34.953 v1(18.842,34.969) ; v1(10.08,5.843) 12.523,8.286 v1(12.523,9.544) ; v1(14.223,13.936) 15.445,15.157 15.445,22.965 v1(17.962,25.483)
PA6: P2.32 U1.42 U2.2 | length 53.1
  Top Layer w0.127: U2.2@16.355,4.318 16.99,4.318 18.865,6.193 19.258,6.193 v1(19.348,6.284) ; v1(19.684,34.448) 19.391,34.448 17.765,32.822 17.765,29.89 18.536,29.119 U1.42@18.536,27.5 18.536,25.221 v1(20.067,23.69)
  Bottom Layer w0.127: P2.32@1.5,34.52 2.441,33.579 11.633,33.579 12.501,34.448 v1(19.684,34.448) ; v1(19.348,6.284) 19.348,22.971 v1(20.067,23.69)
PA7: P2.33 U1.43 U2.5 | length 50.4
  Top Layer w0.127: U2.5@9.243,6.858 9.243,7.362 v1(9.603,7.722) ; v1(19.142,25.819) 19.069,25.892 19.069,27.467 U1.43@19.036,27.5 19.036,29.191 18.19,30.037 18.19,32.342 19.805,33.957 v1(20.5,33.957)
  Bottom Layer w0.127: P2.33@4.04,31.98 4.967,32.907 11.907,32.907 12.957,33.957 v1(20.5,33.957) ; v1(9.603,7.722) 9.888,7.722 18.114,15.948 18.114,24.79 v1(19.142,25.819)
PA8: P3.37 U1.100 | length 25.7
  Top Layer w0.127: v1(29.059,36.043) 29.107,36.043 29.384,36.32 29.384,36.685 33.13,40.43 33.13,41.592 34.387,42.85 U1.100@35.386,42.85
  Bottom Layer w0.127: v1(29.059,36.043) 29.456,36.043 38.598,26.9 P3.37@40.96,26.9
PA9: P1.6 P3.36 U1.101 | length 57.3
  Top Layer w0.127: v1(28.896,36.945) 29.254,36.945 32.725,40.417 32.725,41.682 34.393,43.35 U1.101@35.386,43.35 38.051,43.35 38.838,44.137 38.838,45.809 37.153,47.494 v1(36.453,47.494)
  Bottom Layer w0.127: v1(28.896,36.945) 29.047,36.945 37.996,27.996 42.056,27.996 P3.36@43.5,29.44 ; P1.6@34.036,66.421 34.036,65.132 34.786,64.382 34.786,50.661 36.453,48.995 v1(36.453,47.494)
PA10: P1.5 P3.35 U1.102 | length 50.5
  Top Layer w0.127: v1(29.98,38.6) 30.549,38.6 32.471,40.522 32.471,42.087 34.234,43.85 U1.102@35.386,43.85 v1(37.592,43.85)
  Bottom Layer w0.127: v1(29.98,38.6) 29.98,38.274 38.814,29.44 P3.35@40.96,29.44 ; P1.5@36.576,66.421 35.127,64.972 35.127,50.681 38.345,47.462 38.345,44.603 v1(37.592,43.85)
PA11: P3.34 U1.103 USB1.A7 USB1.B7 | length 72.8
  Top Layer w0.127: v1@12.097,65.867 v1(12.136,65.829) ; v1(28.067,60.325) 28.875,59.517 v1(28.875,57.011) ; v1(29.769,39.421) 31.011,39.421 32.217,40.627 32.217,42.359 34.208,44.35 U1.103@35.386,44.35 36.893,44.35 37.855,45.312 v1(37.855,46.029)
  Top Layer w0.254: USB1.A7@11.688,67.457 11.711,67.434 11.711,66.532 11.917,66.326 12.097,66.326 ; v1@12.097,65.867 12.097,66.326 ; USB1.B7@12.688,67.457 12.665,67.434 12.665,66.61 12.381,66.326 12.097,66.326
  Bottom Layer w0.127: v1(12.136,65.829) 13.082,66.775 21.617,66.775 v1(28.067,60.325) ; v1(28.875,57.011) 30.581,57.011 33.597,53.995 33.597,49.377 36.9,46.073 37.81,46.073 v1(37.855,46.029) ; v1(29.769,39.421) 29.853,39.421 30.601,38.672 30.601,38.164 38.158,30.608 41.112,30.608 42.484,31.98 P3.34@43.5,31.98